# Altium PCB Bran_Main_Assay_PCB_v2.PcbDoc (part 6 of 15)
Units mil, origin at the board's own origin, x right, y up, seen from the top; angles counter-clockwise.
Board outline 3608.46 x 1899.79 mil, 6 copper layers (TOP, GND1, Singal, POWER, GND2, BOTTOM), stack 31.508 mil thick; 363 components, 288 nets, 1386 pads, 975 vias.
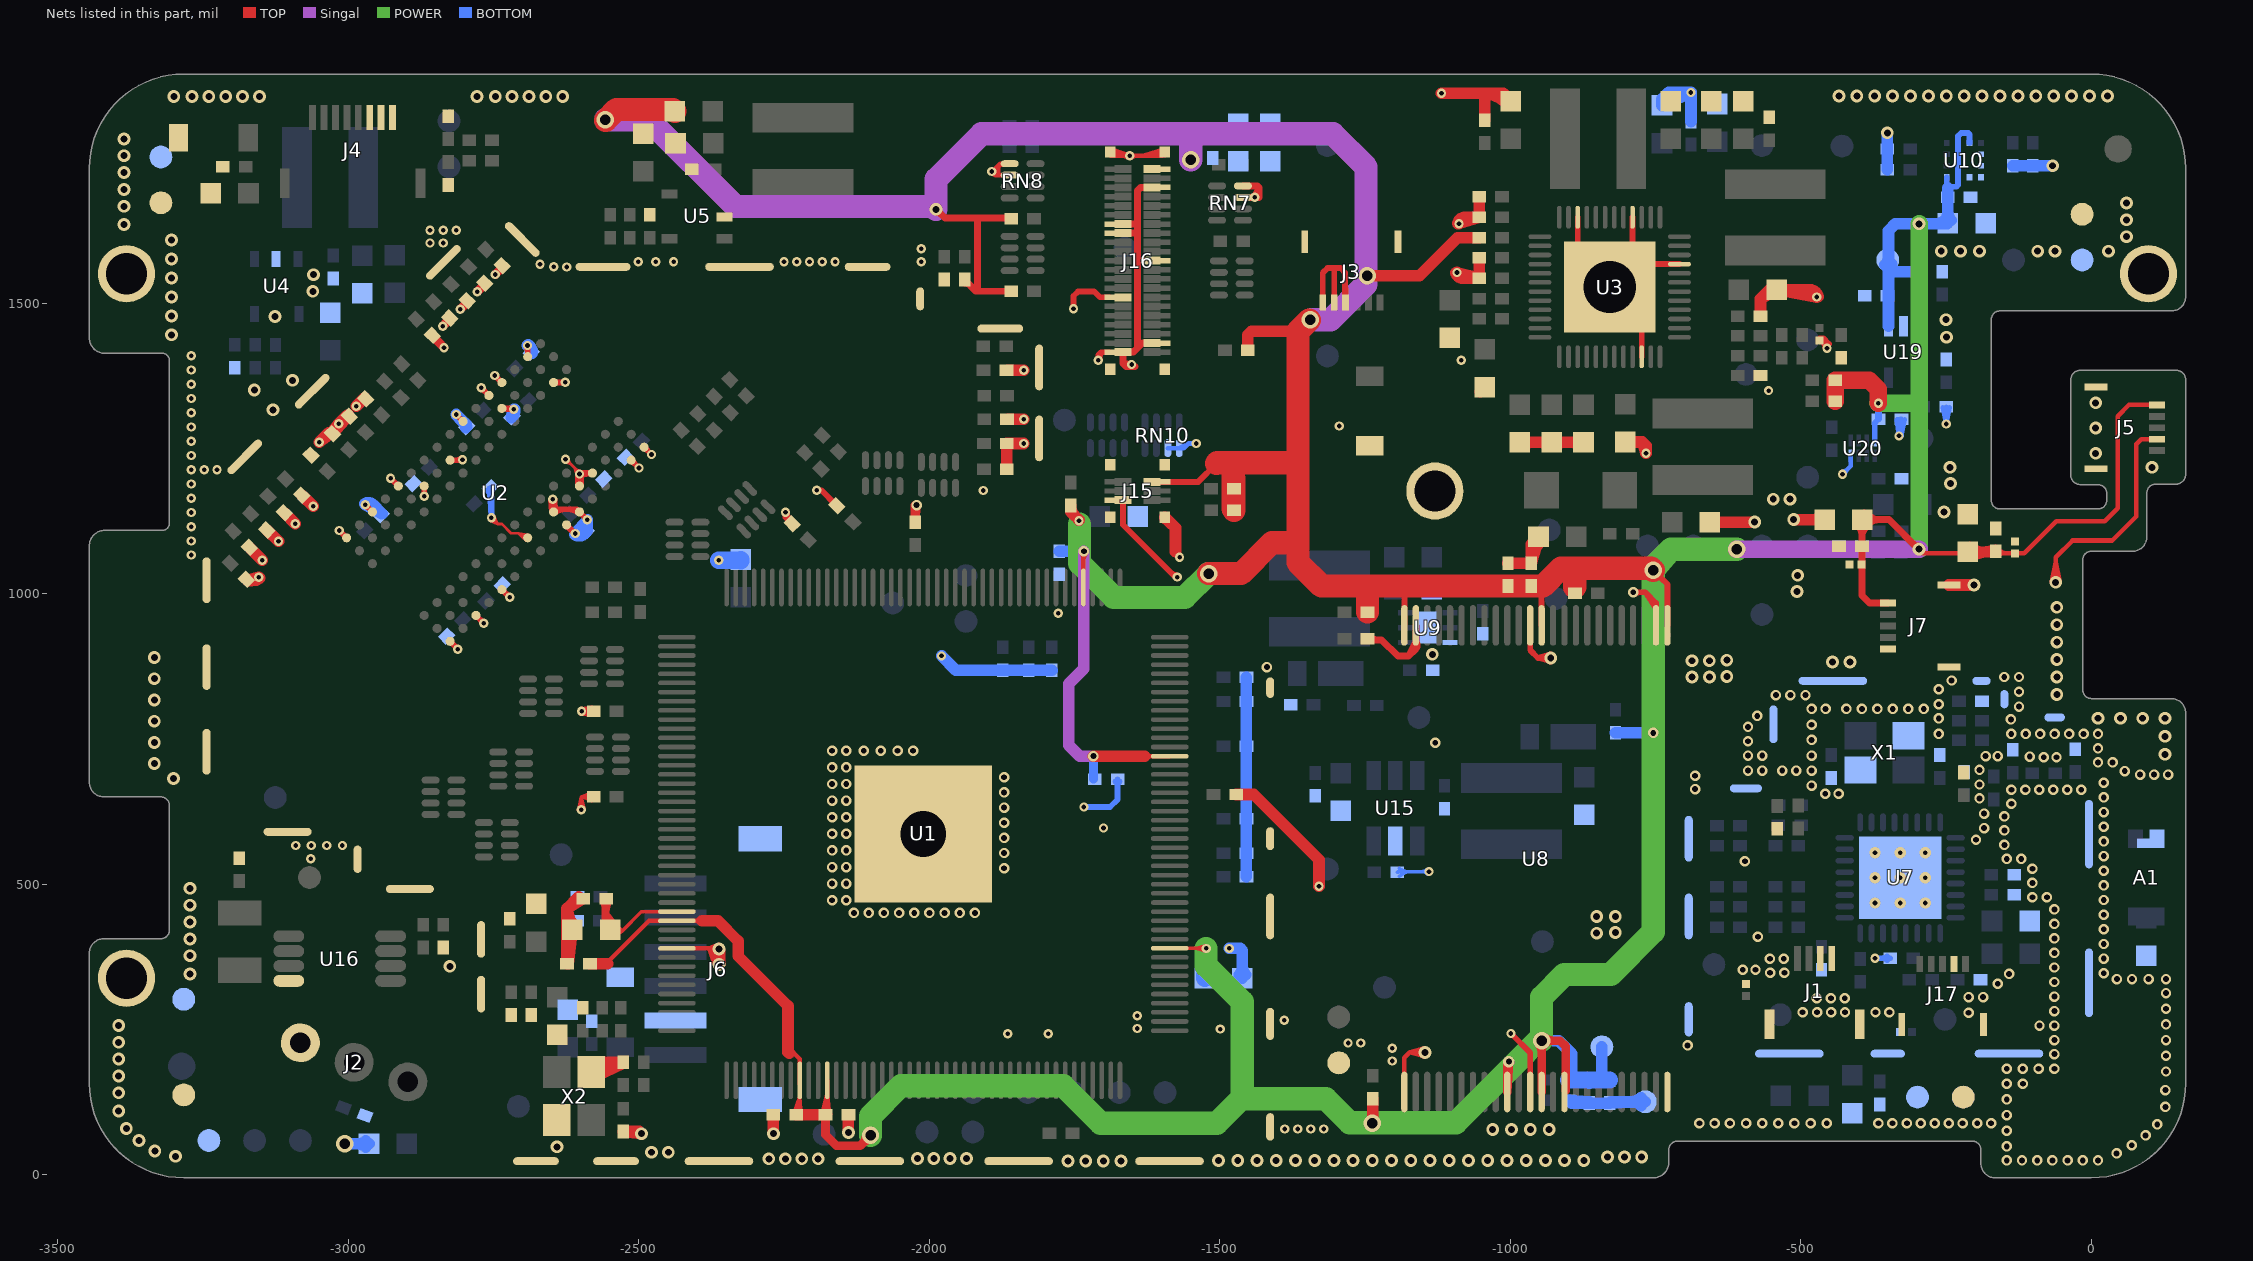
[diagram p10: the nets of this part, all layers, seen from the top]

## Via types
v1: diameter 16, hole 8, TOP to BOTTOM, tented both sides, 431 vias
v2: diameter 18, hole 10, TOP to BOTTOM, tented both sides, 257 vias
v3: diameter 22, hole 12, TOP to BOTTOM, tented both sides, 194 vias
v4: diameter 30, hole 18, TOP to BOTTOM, tented both sides, 69 vias
v5: diameter 24, hole 13, TOP to BOTTOM, tented both sides, 11 vias
v6: diameter 19.68, hole 7.87, TOP to BOTTOM, 9 vias
v7: diameter 22, hole 2, TOP to BOTTOM, tented both sides, 2 vias
v8: diameter 17.99, hole 10, TOP to BOTTOM, tented both sides, 1 vias
v9: diameter 20, hole 10, TOP to BOTTOM, tented both sides, 1 vias

## Nets (pads, with @x,y where several pads share a name; then routed paths per layer and width w, separated by ;. In a path a pad name is that pad's centre, name@x,y a point inside that pad or via, vN(x,y) a via of type N, cw(c..) or ccw(c..) an arc to the next point about the centre after c; other vN are vias at no path point) (continued)
GND: (continued)
  TOP w20: C90.2@-3174.16,1023.46 ccw(c-3169.12,1043.61) v1(-3154.43,1028.92) ; C90.2@-3163.74,1023.54 v1(-3154.43,1028.92) ; C90.2@-3163.1,1023.33 ccw(c-3163.1,1037.59) v1@-3153.01,1027.51 ; v1@-3155.97,1025.24 C90.2@-3174.12,1023.61 ; C92.2@-3138.84,1108.33 C92.2@-3137.84,1108.33 ; C94.2@-3078.84,1168.33 C94.2@-3077.84,1168.33 ; C95.2@-3029.02,1277.51 -3033.84,1277.51 v1(-3050.43,1260.92) C95.2@-3028.74,1277.23 ; R90.1@-3000.02,1307.51 R90.1@-3001.84,1307.51 ; C83.1@-2972.03,1337.5 v1(-2986.43,1322.92) C83.1@-2971.74,1337.23 ; -2623.7,381.02 cw(c-2573.47,381.02) C8.1@-2608.99,416.54 ; -2621.99,394.02 C8.1@-2614.44,421.99 ; C10.1@-2621.73,363.31 C8.1@-2614.44,421.99 ; -2621.31,444.85 C8.1@-2614.44,421.99 ; -2613.66,468.5 cw(c-2597.6,452.43) C9.1@-2597.6,475.15 ; C8.1@-2609.48,427.9 cw(c-2583.76,458.46) -2623.7,458.46 ; -2608.96,472.11 -2597.6,474.99 -2623.7,458.46 ; C9.1@-2603.33,478.83 -2623.7,458.46 ; X2.2@-2583.55,194.46 C38.1@-2527.02,193.99 ; X2.2@-2582.9,194.51 -2547.94,189.97 ; X2.2@-2582.02,176.98 -2565.01,193.99 C38.1@-2527.02,193.99 ; X2.2@-2576.04,168.68 -2547.94,189.97 ; X2.2@-2571.31,172.49 cw(c-2527.02,137.61) C38.1@-2527.02,193.99 ; -2555.21,186.44 C38.1@-2527.02,192.02 ; C37.1@-2526.46,74.07 C37.1@-2527.02,74.62 ; -2506.62,74.62 cw(c-2506.62,59.84) v3@-2496.17,70.29 ; C84.2@-1865.32,1385.05 v1(-1837.56,1385.05) C84.2@-1864.93,1385.04 ; J15.8@-1594.69,1131.3 -1576.45,1113.65 ; J15.8@-1594.69,1131.89 -1576.45,1113.65 ; -1576.45,1072.6 -1576.45,1113.65 ; C7.1@-1471.76,654.74 -1441.57,654.74 ; C7.1@-1469.8,654.74 -1441.57,654.74 ; v1(-1329.45,496.69) -1329.45,542.62 -1441.57,654.74 ; v1(-1118.45,1861.74) -1012.43,1861.74 C67.2@-999.02,1848.33 -1033.35,1859.54 ; v1@-1093.84,1552.87 ccw(c-1081.89,1555.56) -1081.89,1543.31 ; v1@-1093.3,1551.89 ccw(c-1072.58,1572.62) -1072.58,1543.31 ; v1@-1090.42,1637.7 cw(c-1077.46,1635.09) -1077.46,1648.31 ; v1@-1089.88,1638.72 cw(c-1066.74,1615.58) -1066.74,1648.31 ; -1080.16,1544.31 v1(-1091.89,1553.31) ; -1075.21,1647.19 v1(-1088.46,1637.31) ; C53.2@-1051.52,1348.31 C53.2@-1044.02,1355.81 ; -1050.03,1861.74 cw(c-1050.03,1797.31) C67.2@-1004.47,1842.87 ; R19.1@-1044.02,1815.51 -1044.02,1859.31 R19.1@-1044.02,1817.48 ; C40.1@-984.02,1260.81 C68.2@-929.02,1260.81 ; C40.1@-978.56,1255.35 cw(c-965.39,1242.18) -965.39,1260.81 cw(c-965.39,1279.44) C40.1@-978.56,1266.26 ; C204.1@-964.02,1051.3 cw(c-906.98,1051.3) C45.2@-946.21,1092.71 ; -956.37,1079.82 C204.1@-964.02,1054.96 ; C68.2@-934.47,1255.35 ccw(c-947.65,1242.18) -947.65,1260.81 ccw(c-947.65,1279.44) C68.2@-934.47,1266.26 ; C68.2@-923.56,1255.35 cw(c-910.39,1242.18) -910.39,1260.81 cw(c-910.39,1279.44) C68.2@-923.56,1266.26 ; C63.1@-879.47,1255.35 ccw(c-892.65,1242.18) -892.65,1260.81 ccw(c-892.65,1279.44) C63.1@-879.47,1266.26 ; C39.2@-802.46,1261.5 -772.81,1261.5 ; C39.2@-797.01,1256.04 cw(c-783.84,1242.87) -783.84,1261.5 cw(c-783.84,1280.13) C39.2@-797.01,1266.96 ; C44.2@-656.52,1123.31 -579.45,1123.31 v3@-579.02,1123.31 ; C44.2@-651.06,1117.85 cw(c-637.89,1104.68) -637.89,1123.31 cw(c-637.89,1141.94) C44.2@-651.06,1128.76 ; C44.2@-650.46,1123.31 v3(-579.45,1123.83) ; C47.2@-543.12,1515.76 ccw(c-549.07,1487.73) -569.33,1507.99 ; C47.2@-536.06,1517.85 cw(c-522.89,1504.68) -522.89,1523.31 cw(c-522.89,1541.94) C47.2@-536.06,1528.76 ; v3(-512.29,1128) C157.2@-458.96,1128 ; -497.35,1523.31 cw(c-497.35,1486.12) v1@-471.05,1512.41 ; -487.72,1522.04 v1(-472.46,1511) ; v1@-470.5,1511.35 ccw(c-484.77,1508.81) -484.77,1523.31 ; C157.2@-464.42,1122.54 ccw(c-477.59,1109.37) -477.59,1128 ccw(c-477.59,1146.63) C157.2@-464.42,1133.46 ; C90.2@-3174.12,1023.61 v1(-3154.43,1028.92) ; C90.2@-3174.12,1023.61 v1(-3154.43,1028.92) ; C90.2@-3174.12,1023.61 v1(-3154.43,1028.92) ; C90.2@-3174.12,1023.61 v1(-3154.43,1028.92) ; C90.2@-3174.12,1023.61 v1@-3160.02,1023.33 ; C90.2@-3174.12,1023.61 v1(-3154.43,1028.92) ; C90.2@-3174.12,1023.61 v1@-3160.02,1023.33 ; v1@-3160.02,1023.33 v1(-3154.43,1028.92) ; v1@-3160.02,1023.33 -3173.84,1023.33 v1(-3154.43,1028.92) ; v1(-3148.43,1057.92) -3169.12,1078.61 v1(-3148.43,1057.92) ; v1(-3148.43,1057.92) -3168.84,1078.33 v1(-3148.43,1057.92) ; C92.2@-3137.84,1108.33 v1(-3120.43,1090.92) ; C92.2@-3137.84,1108.33 v1(-3120.43,1090.92) ; v1(-3120.43,1090.92) -3139.12,1108.61 v1(-3120.43,1090.92) ; v1(-3091.43,1120.92) -3109.12,1138.61 v1(-3091.43,1120.92) ; v1(-3091.43,1120.92) -3108.84,1138.33 v1(-3091.43,1120.92) ; C94.2@-3077.84,1168.33 v1(-3060.43,1150.92) ; C94.2@-3077.84,1168.33 v1(-3060.43,1150.92) ; v1(-3060.43,1150.92) -3079.12,1168.61 v1(-3060.43,1150.92) ; C95.2@-3028.74,1277.23 v1(-3016.43,1292.92) ; C95.2@-3028.74,1277.23 v1(-3016.43,1292.92) ; C95.2@-3028.74,1277.23 v1(-3016.43,1292.92) ; C95.2@-3028.74,1277.23 v1(-3016.43,1292.92) ; C95.2@-3028.74,1277.23 v1(-3016.43,1292.92) ; C95.2@-3028.74,1277.23 R90.1@-3001.84,1307.51 ; v1(-3016.43,1292.92) C95.2@-3027.35,1275.84 R90.1@-2999.74,1307.23 ; v1(-3016.43,1292.92) R90.1@-2999.74,1307.23 ; v1(-3016.43,1292.92) R90.1@-3001.84,1307.51 ; v1(-3016.43,1292.92) R90.1@-2999.74,1307.23 ; v1(-3016.43,1292.92) R90.1@-3001.84,1307.51 ; -2623.7,458.46 -2623.7,421.99 C10.1@-2623.7,363.31 C8.1@-2614.44,421.99 ; -2623.7,458.46 C8.1@-2614.44,421.99 ; X2.2@-2582.02,180.92 C38.1@-2527.02,192.02 ; X2.2@-2582.02,180.92 -2547.94,189.97 ; X2.2@-2582.02,180.92 C38.1@-2527.02,193.99 ; C37.1@-2527.02,74.62 v3(-2495.46,71) -2499.09,74.62 C37.1@-2527.02,74.62 ; C38.1@-2527.02,192.02 -2577.29,168.14 C38.1@-2527.02,193.99 ; v1(-1837.43,1258.92) -1864.77,1258.92 v1(-1837.43,1258.92) ; v1(-1837.43,1258.92) -1864.38,1258.92 v1(-1837.43,1258.92) ; v1(-1837.47,1300.88) -1864.39,1300.88 v1(-1837.47,1300.88) ; v1(-1837.47,1300.88) -1864,1300.88 v1(-1837.47,1300.88) ; v1(-1091.89,1553.31) -1081.89,1543.31 ; v1(-1091.89,1553.31) -1055.67,1543.31 -1081.89,1543.31 ; v1(-1091.89,1553.31) -1081.89,1543.31 ; v1(-1091.89,1553.31) C59.1@-1053.7,1543.31 ; v1(-1091.89,1553.31) -1081.89,1543.31 ; v1(-1088.46,1637.31) -1077.46,1648.31 ; v1(-1088.46,1637.31) -1055.67,1648.31 -1077.46,1648.31 ; v1(-1088.46,1637.31) -1077.46,1648.31 ; v1(-1088.46,1637.31) C71.1@-1053.7,1648.31 ; v1(-1088.46,1637.31) -1077.46,1648.31 ; -1081.89,1543.31 C59.1@-1053.7,1543.31 ; -1077.46,1648.31 C71.1@-1053.7,1648.31 ; C59.1@-1053.7,1543.31 C60.2@-1053.7,1578.31 C59.1@-1053.7,1543.31 ; C71.1@-1053.7,1648.31 C62.1@-1053.7,1683.31 C71.1@-1053.7,1648.31 ; C204.1@-964.02,1052.99 C207.1@-1004.02,1052.99 C204.1@-964.02,1052.99 ; C204.1@-964.02,1052.99 C45.2@-951.52,1098.31 ; C204.1@-964.02,1052.99 C45.2@-964.02,1085.81 ; C204.1@-964.02,1054.96 -961.65,1067.54 C45.2@-951.52,1098.31 ; C204.1@-964.02,1054.96 C45.2@-951.52,1098.31 ; C204.1@-964.02,1054.96 C45.2@-951.52,1098.31 ; C204.1@-964.02,1054.96 C45.2@-964.02,1085.81 ; C45.2@-964.02,1085.81 C45.2@-951.52,1098.31 ; C68.2@-929.02,1260.81 C63.1@-874.02,1260.81 C68.2@-929.02,1260.81 ; -772.81,1261.5 v1(-766.46,1242) ; -772.81,1261.5 -766.46,1255.16 ; v1(-766.46,1242) -766.46,1255.16 ; v1(-766.46,1242) -766.46,1255.16 ; -569.33,1507.99 C47.2@-541.52,1523.31 ; -569.33,1507.99 R151.1@-569.33,1478.31 -569.33,1507.99 ; -569.33,1507.99 -554.02,1523.31 C47.2@-541.52,1523.31 ; C47.2@-541.52,1523.31 v1(-472.46,1511) ; C47.2@-541.52,1523.31 -484.77,1523.31 ; -484.77,1523.31 v1(-472.46,1511) ; -484.77,1523.31 v1(-472.46,1511) ; v3(-201.93,1015.36) -231.48,1015.36 v3(-201.93,1015.36) ; v3(-201.93,1015.36) J7.7@-245.26,1015.36 v3(-201.93,1015.36) ; C17.1@-2268.7,103.31 v3(-2268.46,71) -2268.46,103.08 C17.1@-2268.7,103.31 ; v3(-2139.33,73.13) C19.1@-2139.33,103.31 v3(-2139.33,73.13) ; R94.1@-1866.74,1214.92 C148.1@-1866.74,1258.92 R94.1@-1866.74,1214.92
  BOTTOM w6: R190.2@-1194.76,520.83 -1193.49,522.1 v1(-1140.02,522.1) ; R190.2@-1191.63,527.57 -1182.5,522.52 ; R190.2@-1191.41,527.53 -1178.6,521.39 ; R190.2@-1190.88,514.26 -1178.6,521.39 ; R190.2@-1189.53,514.81 -1182.5,522.52 ; R190.2@-1187.96,515.99 cw(c-1173.2,501.23) -1173.2,522.1 ; R190.2@-1187.96,525.67 ccw(c-1179.36,534.27) -1179.36,522.1 ; v1@-1143.55,518.57 ccw(c-1152.09,510.03) -1152.09,522.1 ccw(c-1152.09,534.17) v1@-1143.55,525.64 ; v1@-1141.63,517.37 -1148.96,522.51 ; v1@-1141.63,526.83 -1148.96,521.69 ; v1@-1141.19,517.24 -1148.96,521.69 ; v1@-1141.19,526.96 -1148.96,522.51 ; -1182.5,522.52 -1192.8,520.83 -1178.6,521.39 ; -1148.96,521.69 v1(-1140.02,522.1) ; -1148.96,522.51 v1(-1140.02,522.1)
  BOTTOM w8: v1@-1543.28,1256 ccw(c-1550.11,1249.17) -1550.11,1258.83 ccw(c-1550.11,1268.48) v1@-1543.28,1261.66 ; v1(-428.3,1205.99) -414.13,1220.16 ; v1@-428.3,1209.99 ccw(c-428.3,1219.65) -421.47,1212.82 ccw(c-414.64,1205.99) v1@-424.3,1205.99 ; U20.4@-414.13,1231.32 -414.13,1220.16 ; U20.4@-414.13,1237.81 -414.13,1220.16 ; v1@-333.77,1274.82 ccw(c-350.66,1291.71) C241.2@-326.78,1291.71 ; C241.2@-332.46,1299.63 -327.26,1290.55 ; C241.2@-332.31,1299.11 -326.3,1290.55 ; C241.2@-330.91,1296.87 cw(c-340.88,1286.89) -326.78,1286.89 cw(c-312.67,1286.89) C241.2@-322.65,1296.87 ; -327.59,1285.52 v1(-330.94,1271.99) ; C241.2@-321.25,1299.11 -327.26,1290.55 ; C241.2@-321.1,1299.63 -326.3,1290.55 ; C236.2@-255.46,1320.63 -250.26,1311.55 ; C236.2@-255.31,1320.11 -249.3,1311.55 ; C236.2@-253.91,1317.87 cw(c-263.88,1307.89) -249.78,1307.89 cw(c-235.67,1307.89) C236.2@-245.65,1317.87 ; v1@-252.61,1295.3 ccw(c-259.44,1302.13) -249.78,1302.13 ccw(c-240.12,1302.13) v1@-246.95,1295.3 ; C236.2@-244.25,1320.11 -250.26,1311.55 ; C236.2@-244.1,1320.63 -249.3,1311.55 ; C236.2@-243.97,1321.42 v1(-249.78,1292.47) ; RN10.1@-1569.92,1250.96 -1562.32,1250.96 ; RN10.1@-1569.92,1250.96 -1554.45,1258.83 ; RN10.1@-1569.92,1250.96 RN10.2@-1589.61,1250.96 RN10.1@-1569.92,1250.96 ; RN10.1@-1569.92,1250.96 -1562.32,1250.96 ; -1562.32,1250.96 -1554.45,1258.83 ; -1554.45,1258.83 v1(-1540.45,1258.83) -1554.45,1258.83 ; v1(-330.94,1271.99) C241.2@-326.78,1301 ; v1(-330.94,1271.99) -332.59,1300.42 v1@-326.78,1271.51 ; v1(-330.94,1271.99) -320.97,1300.42 v1@-326.78,1271.51 ; v1(-330.94,1271.99) -328.75,1301 v1@-329.98,1279.77 ; v1(-330.94,1271.99) -334.57,1300.53 v1@-329.98,1279.77 ; v1(-330.94,1271.99) -323.02,1299.86 v1@-329.98,1279.77 ; v1(-330.94,1271.99) C241.2@-326.78,1301 ; -327.26,1290.55 C241.2@-326.78,1301 ; v1@-326.78,1271.51 -326.78,1271.99 C241.2@-326.78,1301 ; v1@-326.78,1271.51 C241.2@-326.78,1301 ; C241.2@-326.78,1301 -326.3,1290.55 ; -250.26,1311.55 C236.2@-249.78,1322 ; v1(-249.78,1292.47) -255.59,1321.42 v1(-249.78,1292.47) ; v1(-249.78,1292.47) C236.2@-249.78,1322 ; C236.2@-249.78,1322 -249.3,1311.55
  BOTTOM w10: C96.2@-2760.32,1178.02 cw(c-2775.98,1162.37) -2753.84,1162.37 ; C96.2@-2756.9,1181.44 -2753.84,1139.29 v1(-2753.84,1130.92) ; C96.2@-2755.99,1168.91 v1(-2753.84,1130.92) ; C96.2@-2755.51,1182.84 -2753.84,1181.17 v1(-2753.84,1130.92) ; v1(-1734.02,633.31) -1689.02,633.31 -1675.96,646.36 ; C18.1@-1679.38,677.4 cw(c-1687.65,669.14) -1675.96,669.14 cw(c-1664.27,669.14) C18.1@-1672.54,677.4 ; C246.2@-351.38,369.57 ccw(c-359.64,361.3) -359.64,372.99 ccw(c-359.64,384.68) C246.2@-351.38,376.42 ; C246.2@-347.95,372.99 v1(-372.3,372.99) C246.2@-345.98,372.99 ; -1675.96,646.36 C18.1@-1675.96,680.83 -1675.96,646.36
  BOTTOM w20: v4(-3006.02,53.31) C41.1@-2964.52,53.31 v4@-3004.02,53.31 ; v1@-2971.89,1155.05 cw(c-2965.72,1145.02) -2957.39,1153.34 ; v1@-2970.84,1155.34 cw(c-2970.84,1127.7) -2951.29,1147.25 ; C41.1@-2969.97,47.85 ccw(c-2983.15,34.68) -2983.15,53.31 ccw(c-2983.15,71.94) C41.1@-2969.97,58.76 ; -2957.02,1151.64 v1(-2970.84,1153.34) ; C99.2@-2797.94,1286.33 -2797.65,1286.62 -2797.65,1288 -2797.65,1291.94 v1(-2814.61,1308.9) C99.2@-2796.27,1288 ; C101.2@-2719.39,1303.95 ccw(c-2733.27,1317.83) v1@-2713.65,1317.83 ; C101.2@-2716.28,1308.01 v1(-2715.65,1317.83) ; v1@-2690.39,1429.11 cw(c-2702.71,1414.8) C100.2@-2683.84,1414.8 ; v1@-2610.55,1102.26 ccw(c-2602.9,1113.58) C88.2@-2593.25,1103.92 ; v1@-2609.82,1101.96 ccw(c-2605.28,1124.75) C88.2@-2588.85,1108.32 ; -2597.81,1102.75 v1(-2609.43,1103.92) ; C88.2@-2596.99,1107.25 v1(-2609.43,1103.92) ; C88.2@-2591.79,1111.26 cw(c-2609.43,1128.8) v1(-2609.43,1103.92) ; v1(-1979.02,893.31) -1954.33,868.62 C23.1@-1874.02,868.62 ; -1943.86,868.62 C23.1@-1874.02,868.62 ; v1(-1483.65,389.83) -1464.76,389.83 -1461.15,386.21 C15.2@-1461.15,338.83 ; C15.2@-1466.6,344.28 ccw(c-1479.78,357.46) -1461.15,357.46 ccw(c-1442.52,357.46) C15.2@-1455.69,344.28 ; C27.1@-1454.33,856.83 C26.1@-1454.33,814.83 C25.1@-1454.33,737.83 C24.1@-1454.33,613.31 ; R35.2@-899.33,128.31 -894.65,123.62 C208.1@-864.02,123.62 ; R35.2@-897.47,128.2 ccw(c-886.43,139.24) -886.43,123.62 ; C208.1@-864.02,125.59 -897.36,128.31 C208.1@-864.02,123.62 ; C209.1@-826.81,125.83 C209.1@-829.02,123.62 ; TP24.1@-774.56,119.14 ccw(c-791.1,102.6) -791.1,125.98 ccw(c-791.1,149.37) TP24.1@-774.56,132.83 ; C55.2@-731.8,1843.53 cw(c-714.35,1850.12) -727.54,1863.31 ; v1(-2970.84,1153.34) -2957.39,1153.34 ; v1(-2970.84,1153.34) -2942.5,1137.89 -2957.39,1153.34 ; v1(-2970.84,1153.34) -2957.39,1153.34 ; v1(-2970.84,1153.34) -2942.22,1138.17 -2957.39,1153.34 ; v1(-2970.84,1153.34) -2957.39,1153.34 ; C101.2@-2718.35,1305 ccw(c-2729.84,1316.49) -2713.65,1318.01 cw(c-2729.84,1316.49) C101.2@-2718.35,1305 ; C101.2@-2718.35,1305 C101.2@-2715.65,1307.7 ; C101.2@-2718.35,1305 -2720.02,1303.33 v1(-2715.65,1317.83) ; C101.2@-2715.65,1307.7 v1(-2715.65,1317.83) ; C101.2@-2715.65,1307.7 v1(-2715.65,1317.83) ; C101.2@-2715.65,1307.7 v1(-2715.65,1317.83) ; v1(-2715.65,1317.83) -2715.06,1309.72 v1(-2715.65,1317.83) ; v1(-2609.43,1103.92) v1(-2588.86,1127.7) ; v1(-2609.43,1103.92) C88.2@-2593.25,1103.92 ; v1(-2609.43,1103.92) C88.2@-2588.85,1108.32 ; v1(-2609.43,1103.92) C88.2@-2591.9,1111.37 ; v1(-2609.43,1103.92) C88.2@-2593.25,1103.92 ; C88.2@-2593.25,1103.92 C88.2@-2588.85,1108.32 ; C88.2@-2591.9,1111.37 v1(-2588.86,1127.7) ; C88.2@-2591.9,1111.37 v1(-2588.86,1127.7) ; C88.2@-2591.9,1111.37 v1(-2588.86,1127.7) ; C88.2@-2588.84,1108.33 C88.2@-2588.84,1109.98 ; C88.2@-2588.84,1108.33 v1(-2588.86,1127.7) ; C88.2@-2588.84,1109.98 v1(-2588.86,1127.7) ; C88.2@-2588.84,1109.98 v1(-2588.86,1127.7) ; C23.1@-1874.02,868.62 C21.1@-1829.02,868.62 ; C21.1@-1829.02,868.62 C22.1@-1789.02,868.62 C21.1@-1829.02,868.62 ; C30.1@-1454.33,553.31 C24.1@-1454.33,613.31 ; C30.1@-1454.33,553.31 C28.1@-1454.33,513.31 C30.1@-1454.33,553.31 ; C30.1@-1454.33,553.31 C24.1@-1454.33,613.31 ; C208.1@-864.02,123.62 C209.1@-829.02,123.62 ; C209.1@-829.02,123.62 TP24.1@-767.72,125.98 -826.65,125.98 -783.46,125.98 C209.1@-829.02,123.62 ; C55.2@-739.02,1840.81 v1(-689.17,1863.15) ; C55.2@-739.02,1840.81 -727.54,1863.31 ; C55.2@-739.02,1840.81 v1@-689.02,1863.31 ; C55.2@-739.02,1840.81 -727.54,1863.31 ; C55.2@-739.02,1840.81 -739.02,1851.83 -727.54,1863.31 ; -727.54,1863.31 -689.17,1863.31 v1@-689.02,1863.31 ; -727.54,1863.31 v1(-689.17,1863.15) ; v1(-689.17,1863.15) -689.02,1814.96 v1@-689.02,1863.31 ; v1(-689.17,1863.15) C56.2@-689.02,1812.99 -689.02,1863.15 v1@-689.02,1863.31 ; v1(-2691.7,1427.59) -2683.84,1417.51 -2683.84,1419.73 v1(-2691.7,1427.59)
  BOTTOM w30: C142.1@-2324.65,1056.83 -2325.74,1057.92 v1(-2362.43,1057.92) C142.1@-2324.65,1059.33
  other v1: -1388.3,78.99 -1365.97,78.99 -1343.63,78.99 -1321.3,78.99 -1203.3,195.99 -1203.3,217.99 -1279.3,226.99 -1257.3,226.99 -1865.3,242.99 -1795.3,242.99 -1499.3,250.99 -1642.3,251.99 -1389.3,265.99 -1642.3,273.99 -3064.94,543.99 -3090.55,566.99 -3063.8,566.99 -3037.05,566.99 -3010.3,566.99 -1700.3,596.99 -1778.3,966.99 -1569.3,1062.99 -3270.3,1066.99 -3270.3,1090.99 -3270.3,1115.53 -3270.3,1140.07 -3270.3,1164.61 -1907.3,1177.99 -3270.3,1189.15 -3270.3,1213.68 -3248.3,1213.99 -3226.3,1213.99 -3270.3,1238.22 -3270.3,1262.76 -3270.3,1287.3 -1294.46,1289 -3270.3,1311.84 -3270.3,1336.38 -555.46,1350 -3270.3,1360.91 -3270.3,1385.45 -1084.3,1401.99 -3270.3,1409.99 -2646.57,1562.96 -2624.38,1562.86 -2670.23,1567.48 -2501.3,1571.99 -2470.8,1571.99 -2440.3,1571.99 -2250.3,1571.99 -2228.3,1571.99 -2206.3,1571.99 -2184.3,1571.99 -2162.3,1571.99 -2013.94,1571.99 -2013.94,1593.99 -2859.63,1603.99 -2836.97,1603.99 -2859.63,1625.99 -2836.97,1625.99 -2814.3,1625.99
  other v2: -145.46,25 -119.3,25 -93.13,25 -66.96,25 -40.8,25 -14.63,25 11.53,25 43.54,37 -145.46,49 69.54,51 93.54,68 -145.46,76 113.54,87 -674.46,89 -648.46,89 -622.06,89 -594.3,89 -566.53,89 -538.76,89 -511,89 -483.23,89 -455.47,89 -366.46,89 -342.46,89 -317.46,89 -293.46,89 -269.46,89 -245.46,89 -221.46,89 -196.46,89 -172.46,89 -145.46,103 127.54,117 -145.46,130 127.54,146 -145.46,157 -117.65,156.97 128.54,178 -145.46,182.62 -118.13,182.62 -90.8,182.62 -63.46,182.62 128.54,205 -63.46,208 -694.94,222.99 -63.46,232 128.54,232 -89.19,256.95 -63.46,257 128.54,259 -211.3,278.99 -496.94,279.99 -471.94,279.99 -447.94,279.99 -423.94,279.99 -371.46,280 -347.46,280 -63.46,282 128.54,286 -472.3,303.99 -448.3,303.99 -424.3,303.99 -211.3,305.99 -186.3,305.99 -63.46,307 128.54,313 -160.94,328.99 -63.46,332 44.06,336.99 70.06,336.99 98.54,337 128.54,337 -141.46,346 21.54,347 -553.02,347.99 -528.3,347.99 -600,353 -578,353 -63.46,357 -553.3,371.99 -529.3,371.99 21.54,372.23 -63.46,382 21.54,397.46 -63.46,407 -573.94,409.99 21.54,422.69 -63.46,432 21.54,447.92 -2129.94,450.99 -2104.25,450.99 -2078.15,450.99 -2052.05,450.99 -2025.95,450.99 -1999.85,450.99 -1973.75,450.99 -1947.65,450.99 -1921.55,450.99 -63.46,457 -2167.45,472.74 -2142.94,472.74 21.54,473.15 -101.46,478 -76.46,478 21.54,498.38 -2167.45,501.32 -2142.94,501.32 -101.46,502.5 21.54,523.61 -101.46,527 -1871.45,527.94 -2167.45,529.91 -2142.94,529.91 -596.3,539.99 -145.46,544 -120.46,544 21.54,548.85 -1871.45,554.04 -2167.45,558.49 -2142.94,558.49 -149.46,568 21.54,574.08 -198.46,577 -1871.45,580.14 -2167.45,587.07 -2142.94,587.07 -149.46,593 -184.46,597 21.54,599.31 -1871.45,606.24 -2167.45,615.66 -2142.94,615.66 -149.46,617 -184.46,622 21.54,624.54 -1871.45,632.34 -137.46,639 -2167.45,644.24 -2142.94,644.24 -192.46,648 21.54,649.77 -457.94,655.99 -434.94,655.99 -1871.45,658.44 -137.46,663 -113.46,663 -89.46,663 -65.46,663 -41.46,663 -17.46,663 -681.94,663.99 -481.45,670 -192.46,672 -2167.45,672.82 -2142.94,672.82 21.54,675 -1871.45,684.54 -681.94,686.99 84.06,688.99 108.06,688.99 132.06,688.99 57.54,695 -590.94,695.99 -566.46,695.99 -531.94,695.99 -507.94,695.99 -481.45,695.99 -192.46,697 -2167.45,701.41 -2142.94,701.41 11.54,710 36.54,710 -81.94,718.99 -59.94,718.99 -105.94,719.99 -181.94,720.99 -160.94,720.99 -590.94,721.66 -566.3,721.66 -481.45,721.66 -2167.45,729.99 -2142.94,729.99 -2113.05,729.99 -2083.85,729.99 -2054.65,729.99 -2027.94,729.99 11.54,734 -1129.3,743.99 -590.94,746.33 -481.45,748.62 -262.45,759 -137.91,759 -113,759 -88.1,759 -63.19,759 -38.28,759 -13.37,759 11.53,759 -590.94,770.99 -481.45,774.81 -138.46,784 -262.45,785.74 -574.94,789.99 -481.46,802 -457.46,802 -421.46,802 -394.86,802 -368.26,802 -341.66,802 -315.05,802 -288.45,802 -124.46,806 -262.46,810 -542.94,825.99 -517.94,825.99 -491.94,825.99 -124.46,831.5 -262.46,836 -240.46,851 -149.94,856.99 -124.46,856.99 -1418.94,873.99
  other v3: -1761.3,23.99 -1730.97,23.99 -1700.63,23.99 -1670.3,23.99 -1502.3,24.99 -1469.2,24.99 -1436.11,24.99 -1403.01,24.99 -1369.92,24.99 -1336.82,24.99 -1303.73,24.99 -1270.63,24.99 -1237.54,24.99 -1204.44,24.99 -1171.35,24.99 -1138.25,24.99 -1105.16,24.99 -1072.06,24.99 -1038.97,24.99 -1005.87,24.99 -972.78,24.99 -939.68,24.99 -906.59,24.99 -873.49,24.99 -2276.31,27.71 -2247.98,27.71 -2219.64,27.71 -2191.31,27.71 -2020.3,27.99 -1992.3,27.99 -1964.3,27.99 -1936.3,27.99 -832.94,30.99 -803.44,30.99 -773.94,30.99 -3297.72,31.98 -2478.3,38.99 -2449.3,38.99 -3333.3,40.99 -2640.87,48.28 -3360.3,58.99 -1030.46,78 -998.04,78 -965.62,78 -933.2,78 -3382.3,79.99 -3395.46,110 -3395.48,141.26 -3395.48,170.26 -3395.48,199.26 -3395.48,228.26 -3395.48,257.26 -3272.46,346 -2825.46,359 -3272.48,377.26 -3272.48,406.26 -851.3,415.99 -819.3,416.99 -3272.48,435.26 -851.3,444.99 -819.3,444.99 -3272.48,464.26 -3272.48,493.26 -3301.02,682.1 -3334.02,707.92 126.7,723.99 -3334.02,744.46 126.7,754.99 -3334.02,781 11.7,785.99 50.03,785.99 88.37,785.99 126.7,785.99 -3334.02,817.54 -59.3,826.99 -3334.02,854.08 -687.3,856.99 -657.3,856.99 -59.3,856.99 -627.46,858 -445.46,883 -415.46,883 -687.46,885 -657.46,885 -627.46,886 -59.3,886.99 -3334.02,890.61 -1134.3,895.99 -59.3,916.99 -59.3,946.99 -59.3,976.99 -506.46,1004 -505.46,1032 -253.46,1141 -547.48,1163 -518.46,1163 -242.3,1189.99 -243.3,1217.99 104.54,1218 7.54,1242 7.54,1285.5 -3129.94,1316.99 7.54,1329 -3161.94,1350.99 -3096.45,1367.74 -249.46,1442 -3304.3,1445.99 -250.3,1471.99 -3126.45,1477.74 -3304.3,1478.59 -3304.3,1511.19 -3061.2,1520.87 -3304.3,1543.79 -3060.25,1549.5 -3304.3,1576.39 -258.3,1589.99 -225.3,1589.99 -192.3,1589.99 -92.3,1589.99 -62.3,1589.99 29.7,1589.99 -3304.3,1608.99 60.7,1614.99 -3386.48,1636 60.7,1643.99 -3386.48,1667.26 60.7,1672.99 -3386.48,1696.26 -3386.48,1725.26 -3386.48,1754.26 -3386.48,1783.26 -3300.46,1856.02 -3269.2,1856.02 -3240.2,1856.02 -3211.2,1856.02 -3182.2,1856.02 -3153.2,1856.02 -2778.46,1856.02 -2747.2,1856.02 -2718.2,1856.02 -2689.2,1856.02 -2660.2,1856.02 -2631.2,1856.02 -434.46,1857.02 -403.65,1857.02 -372.84,1857.02 -342.03,1857.02 -311.22,1857.02 -280.41,1857.02 -249.6,1857.02 -218.79,1857.02 -187.98,1857.02 -157.17,1857.02 -126.35,1857.02 -95.54,1857.02 -64.73,1857.02 -33.92,1857.02 -3.11,1857.02 27.7,1857.02
  other v6: -372.32,468 -329.02,468 -285.71,468 -372.32,511.31 -329.02,511.31 -285.71,511.31 -372.32,554.61 -329.02,554.61 -285.71,554.61
HPBP: C8.2 C9.2 U1.75 | length 1349.1
  TOP w6: C9.2@-2565.06,474.59 -2560.64,457.59 ; C8.2@-2564.14,421.26 -2558.01,446.1 ; C8.2@-2564.16,421.78 -2557.27,454.44 ; C9.2@-2562.98,473.68 -2554.77,449.5 ; C8.2@-2561.6,439.49 ccw(c-2536.63,439.49) C8.2@-2551.39,419.34 ; -2561.6,450.34 cw(c-2533.57,450.34) C9.2@-2553.39,470.15 ; -2561.6,451.32 ccw(c-2527.96,451.32) C8.2@-2547.84,424.18 ; -2561.6,463.16 ccw(c-2519.28,463.16) C8.2@-2544.29,429.02 ; -2561.6,464.82 cw(c-2548.06,464.82) C9.2@-2557.63,474.4 ; C9.2@-2561.6,478.83 C9.2@-2561.6,474.99 ; C9.2@-2558.23,474.99 -2560.64,457.59 ; C8.2@-2558.11,421.07 -2557.27,454.44 ; C8.2@-2558.04,420.52 -2558.01,446.1 ; C9.2@-2556.26,474.99 -2554.77,449.5 ; C9.2@-2551.76,472.75 -2560.64,457.59 ; C9.2@-2549.44,474.47 -2554.77,449.5 ; C8.2@-2548.52,413.32 -2528.65,419.83 ; C8.2@-2546.76,430.28 -2528.65,419.83 ; C8.2@-2545.72,407.75 -2528.65,419.83 ; C8.2@-2542.87,435.16 -2528.65,419.83 ; C8.2@-2541.85,426.27 -2558.01,446.1 ; C8.2@-2541.31,425.13 -2557.27,454.44 ; C8.2@-2540.75,433.86 cw(c-2510.61,474.99) C9.2@-2561.6,474.99 ; C8.2@-2537.58,430.7 -2558.01,446.1 ; C8.2@-2536.42,415.13 cw(c-2528.65,411.04) -2528.65,419.83 ; C8.2@-2536.32,415.34 cw(c-2530.65,412.47) -2530.65,418.83 ; C8.2@-2536.25,428.51 -2557.27,454.44 ; C8.2@-2535.85,416.35 cw(c-2530.65,414.19) -2530.65,419.83 ; C8.2@-2535.04,425.02 ccw(c-2528.65,426.36) -2528.65,419.83 ; C8.2@-2534.81,423.57 ccw(c-2530.65,424.02) -2530.65,419.83 ; C8.2@-2534.75,422.73 ccw(c-2530.65,422.93) -2530.65,418.83 ; -2485.12,453.06 U1.75@-2463.18,453.06 ; U1.75@-2434.64,453.06 -2495.65,453.06 -2528.65,419.83 ; C9.2@-2561.6,474.99 -2561.6,423.83 -2560.65,423.83 -2555.65,418.83 -2549.44,418.83 -2530.65,418.83 ; -2558.01,446.1 C8.2@-2549.44,421.99 ; -2557.27,454.44 C8.2@-2549.44,421.99 ; C8.2@-2549.44,421.99 -2530.65,418.83 ; C8.2@-2549.44,421.99 -2530.65,419.83 ; C8.2@-2549.44,421.99 -2528.65,419.83 ; C8.2@-2549.44,421.99 -2530.65,418.83 ; C8.2@-2549.44,421.99 -2530.65,419.83 ; -2530.65,418.83 -2548.89,413.29 -2530.65,418.83 ; -2530.65,418.83 -2546.07,430.03 -2530.65,418.83 ; -2530.65,418.83 -2546.1,407.66 -2530.65,418.83 ; -2530.65,418.83 -2541.59,434.44 -2530.65,418.83 ; -2530.65,418.83 -2530.65,419.83 ; -2530.65,419.83 -2548.42,413.34 -2530.65,419.83 ; -2530.65,419.83 -2546.48,430.19 -2530.65,419.83 ; -2530.65,419.83 -2545.31,407.87 -2530.65,419.83 ; -2530.65,419.83 -2542.21,434.81 -2530.65,419.83 ; -2530.65,419.83 -2528.65,419.83
HPVCC: C10.2 C15.1 C16.2 C17.2 C18.2 C19.2 C121.2 C122.2 C123.2 C152.2 C154.2 C155.2 C156.1 C157.1 C204.2 C207.2 C208.2 C209.2 C235.1 C240.2 C241.1 D13.1 D15.1 J5.1 J7.5 J15.1 J16.1 L12.1 R3.1 R4.1 R5.1 R6.1 R7.1 R8.1 R23.2 R32.1 R34.1 R39.1 R55.2 R79.1 R80.1 R81.1 R99.2 R129.1 R130.1 R131.1 R177.2 R199.1 TP12.1 TP23.1 U1.5 U1.76 U1.97 U1.100 U1.142 U1.163 U8.1 U8.12 U8.24 U8.34 U8.37 U8.39 U10.2 U10.3 U10.9 U10.10 U19.1 U20.8 | length 19128.7
  TOP w6: C17.2@-2233.97,105.1 U1.97@-2223.03,132.41 ; C17.2@-2233.86,105.46 -2227.22,114.64 ; C17.2@-2233.79,105.67 -2224.1,122.19 ; C17.2@-2232.2,108.15 ccw(c-2254.34,130.3) U1.97@-2223.03,130.3 ; C17.2@-2227.96,103.91 ccw(c-2239.86,115.81) -2223.03,115.81 ; C17.2@-2223.03,103.31 U1.97@-2223.03,155.83 ; C17.2@-2223.03,112.23 U1.97@-2223.03,134.17 ; C17.2@-2220.81,105.3 -2227.22,114.64 ; C17.2@-2220.52,103.27 U1.97@-2223.75,130.8 ; C17.2@-2220.52,103.37 -2224.1,122.19 ; U1.142@-1586.22,390.07 -1540.89,390.07 ; U1.142@-1557.67,390.07 -1540.89,390.07 ; v1@-1527.18,386.29 ccw(c-1535.72,377.76) -1535.72,389.83 ccw(c-1535.72,401.9) v1@-1527.18,393.36 ; v1@-1525.26,385.09 -1532.59,390.24 ; v1@-1525.26,394.56 -1532.59,389.42 ; v1@-1524.82,384.97 -1532.59,389.42 ; v1@-1524.82,394.69 -1532.59,390.24 ; v1@-1524.38,384.88 -1540.65,389.83 ; v1@-1524.38,394.77 -1540.65,389.83 ; C17.2@-2227.36,103.31 U1.97@-2223.03,134.17 ; C17.2@-2227.36,103.31 -2227.22,114.64 ; C17.2@-2227.36,103.31 U1.97@-2223.75,130.8 ; C17.2@-2227.36,103.31 U1.97@-2223.03,132.41 ; C17.2@-2227.36,103.31 -2224.1,122.19 ; -2227.22,114.64 U1.97@-2223.03,134.17 ; U1.97@-2223.75,130.8 -2233.98,105.03 U1.97@-2223.03,134.17 ; U1.97@-2223.03,132.41 -2220.52,103.1 U1.97@-2223.03,134.17 ; -1540.89,390.07 -1540.65,389.83 ; -1540.65,389.83 v1(-1523.65,389.83) ; -1540.65,389.83 v1(-1523.65,389.83) ; -1532.59,389.42 v1(-1523.65,389.83) ; -1532.59,390.24 v1(-1523.65,389.83)
  TOP w8: -2554.02,365.93 -2482.64,437.31 ; U1.76@-2463.18,437.31 -2482.64,437.31 ; U1.76@-2406.09,437.31 -2391.45,437.31 U1.76@-2434.64,437.31 -2482.64,437.31 ; -2242.93,219.36 -2223.03,199.46 ; U1.97@-2223.03,155.83 U1.97@-2223.03,162.71 -2223.03,199.46 ; U1.97@-2223.03,191.26 -2223.03,199.46 ; C19.2@-2184.46,104.3 U1.100@-2175.78,137.57 ; C19.2@-2184.44,104.4 U1.100@-2175.78,134.17 ; C19.2@-2182.35,104.91 -2176.37,115.22 ; C19.2@-2180.86,107.44 ccw(c-2193.14,119.72) -2175.78,119.72 ; C19.2@-2176.73,103.31 -2176.37,115.22 ; -2175.78,115.11 ccw(c-2164.93,115.11) C19.2@-2172.6,107.44 ; U1.100@-2175.78,162.71 -2175.78,106.24 U1.100@-2175.78,134.17 ; C19.2@-2171.03,104.57 -2176.37,115.22 ; v2@-1738.9,1072.23 -1734.33,1063.1 ; v2@-1737.55,1069.77 cw(c-1744.1,1063.22) -1734.84,1063.22 ; U1.5@-1734.84,1011.13 v2@-1734.84,1072.48 ; U1.5@-1734.84,1039.68 v2@-1734.84,1067.61 ; -1734.84,1059.25 cw(c-1719.96,1059.25) v2@-1730.48,1069.77 ; v2(-1734.02,1073.31) -1734.33,1063.1 ; v2@-1729.21,1071.93 -1734.33,1063.1 ; U1.163@-1614.76,720.78 -1629.06,720.78 U1.163@-1586.22,720.78 ; v3@-290.78,1070.31 -212.46,1070.31 -164.46,1070.31 -131,1070.31 -115.15,1070.31 ; C155.2@-212.52,1066.78 -191.27,1069.44 ; C155.2@-212.37,1066.78 C154.2@-170.69,1070.31 ; C155.2@-212.04,1066.8 -184.58,1071.7 ; C155.2@-211.78,1078.17 C154.2@-170.69,1070.31 ; C155.2@-211.72,1078.17 -184.58,1071.7 ; C155.2@-210.93,1058.87 C154.2@-170.69,1070.31 ; C155.2@-210.9,1078 -191.27,1069.44 ; C155.2@-209.97,1059.01 -191.27,1069.44 ; C155.2@-209.48,1059.11 -184.58,1071.7 ; C155.2@-209.51,1085.89 C154.2@-170.69,1070.31 ; C155.2@-208.71,1085.69 -184.58,1071.7 ; C155.2@-208.42,1076.54 ccw(c-193.39,1091.58) -193.39,1070.31 ; C155.2@-206.26,1084.73 -191.27,1069.44 ; C155.2@-202.77,1062.8 cw(c-184.63,1044.66) -184.63,1070.31 ; C155.2@-202.77,1082.2 ccw(c-174.07,1110.89) C154.2@-174.07,1070.31 ; -182.17,1072.48 ccw(c-179.34,1083.05) C154.2@-169.64,1077.99 ; -181.06,1070.31 ccw(c-181.06,1087.94) C154.2@-168.6,1075.48 ; -176.08,1070.31 cw(c-176.08,1059.73) C154.2@-168.6,1067.22 ; C154.2@-166.08,1076.96 -176.5,1070.92 ; C154.2@-165.68,1065.63 -176.5,1070.92 ; C154.2@-165.54,1077.09 C155.2@-198.57,1067.95 ; C154.2@-165.5,1067.57 -194.36,1075.75 ; C154.2@-165.47,1079.07 C155.2@-198.69,1070.31 ; C154.2@-165.21,1079.11 C155.2@-199.25,1071.81 ; C154.2@-165.04,1069.47 C155.2@-199.57,1075.84 ; C154.2@-164.86,1081.11 C155.2@-199.57,1075.84 ; C154.2@-164.7,1067.48 C155.2@-199.25,1071.81 ; C154.2@-164.56,1079.16 -194.36,1075.75 ; C154.2@-164.45,1067.47 C155.2@-198.69,1070.31 ; C154.2@-164.46,1075.28 C155.2@-199.57,1075.84 ; C154.2@-164.38,1065.5 C155.2@-198.57,1067.95 ; C154.2@-163.25,1065.63 -152.43,1070.92 ; C154.2@-162.85,1076.96 -152.43,1070.92 ; C154.2@-161.38,1070.31 D13.1@-132.84,1070.01 ; C154.2@-160.33,1067.22 cw(c-152.85,1059.73) -152.85,1070.31 ; C154.2@-160.33,1075.48 ccw(c-147.87,1087.94) -147.87,1070.31 ; D13.1@-130.09,1070.01 -115.15,1070.31 ; 74.92,1325.37 J5.1@104.83,1325.37 ; J5.1@112.7,1325.37 64.91,1325.37 45.54,1306 45.54,1147.62 22.92,1125 -60.46,1125 -115.15,1070.31 ; U1.100@-2175.78,134.17 C19.2@-2178.7,103.31 U1.100@-2175.78,137.57 ; U1.100@-2175.78,134.17 -2172.86,103.31 U1.100@-2175.78,137.57 ; C155.2@-212.46,1072.5 C154.2@-170.69,1070.31 ; C155.2@-212.46,1072.5 -184.58,1071.7 ; C155.2@-212.46,1072.5 -191.27,1069.44 ; C155.2@-199.25,1071.81 C154.2@-164.46,1073.31 ; C155.2@-198.69,1070.31 C154.2@-164.46,1073.31 ; C155.2@-198.57,1067.95 C154.2@-164.46,1071.35 ; -194.36,1075.75 C154.2@-164.46,1073.31 ; -176.5,1070.92 C154.2@-164.46,1071.35 ; C154.2@-164.46,1071.35 -152.43,1070.92 ; J16.1@-1616.73,1731.1 -1597.64,1731.1 -1609.25,1731.1 J16.1@-1593.5,1731.1 J16.1@-1616.73,1731.1
  TOP w10: J15.1@-1616.73,1192.91 J15.1@-1593.5,1192.91 -1537.34,1192.91 -1505.95,1224.31 ; J15.1@-1589.37,1192.91 -1554.65,1192.91 ; U8.24@-1182.4,945.83 -1182.4,1000 U8.24@-1182.4,975.41 ; C204.2@-964.02,1006.81 cw(c-964.02,990.37) -952.39,1001.99 ; C204.2@-964.02,1011.65 -946.18,995.79 ; C204.2@-961.36,1010.96 -946.18,995.79 ; U8.12@-946.18,945.83 -946.18,995.79 ; U8.12@-946.18,975.41 -946.18,995.79 ; v4@-754.02,1030.83 cw(c-754.02,1006.68) -736.94,1023.76 cw(c-719.87,1040.83) v4@-744.02,1040.83 ; v4(-754.02,1040.83) -729.65,1016.46 U8.1@-729.65,945.83 ; U8.1@-729.65,975.41 -729.65,1010.83
  TOP w12: v3@-1988.46,1657 cw(c-1988.46,1644.93) -1979.93,1653.46 cw(c-1971.39,1662) v3@-1983.46,1662 ; v3(-1988.46,1662) -1973.46,1647 -1917.3,1647 ; R55.2@-1939.45,1535.24 cw(c-1939.45,1521.22) -1929.53,1531.14 ; R55.2@-1939.45,1541.06 -1919.39,1521 R79.1@-1859.15,1521 ; -1917.3,1523.09 -1917.3,1647 ; -1906.96,1521 R79.1@-1861.12,1521 ; -1872.81,1647 cw(c-1872.81,1634.31) R81.1@-1863.84,1643.28 ; R81.1@-1859.15,1646 -1860.15,1647 -1917.3,1647 ; C157.1@-405.42,1125.54 -395.78,1108.51 ; C157.1@-405.26,1124.88 -393.85,1105.56 ; C157.1@-402.25,1119.72 cw(c-419.93,1102.03) -394.93,1102.03 ; -394.93,1036.16 C156.1@-394.78,1082 -394.93,1127.04 -394.93,1082 -394.93,1051 -394.93,997.46 -381.72,984.26 ; -394.93,1097.39 cw(c-363.36,1097.39) -385.68,1119.72 cw(c-365.68,1099.71) -365.68,1128 cw(c-365.68,1156.29) C157.1@-385.68,1136.28 ; C157.1@-391.21,1116.61 -373,1127.04 ; C157.1@-391.21,1139.39 -373,1128.96 ; C157.1@-390.18,1116.91 -373,1128.96 ; C157.1@-390.18,1139.09 -373,1127.04 ; C157.1@-383.16,1123.47 -395.78,1108.51 ; C157.1@-382.64,1125 -393.85,1105.56 ; J7.5@-357.47,984.26 -381.72,984.26 ; J7.5@-349.59,984.26 -381.72,984.26 ; -306.71,1086.24 ccw(c-296.46,1096.49) v3@-296.46,1082 ; v3@-293.46,1073 -296.96,1076.5 -348.46,1128 C157.1@-393.96,1128 ; -395.78,1108.51 C157.1@-393.96,1128 ; C157.1@-393.96,1128 -393.85,1105.56 ; C157.1@-393.96,1128 -373,1128.96 ; C157.1@-393.96,1128 -373,1127.04
  TOP w15: v4@-2108.8,67.99 cw(c-2126.91,67.99) -2114.1,55.19 cw(c-2101.3,42.39) v4@-2101.3,60.49 ; -1005.24,182.27 cw(c-989.74,182.27) v9@-1000.7,193.23 ; v4@-951.48,225.84 cw(c-964.29,213.04) -946.18,213.04 cw(c-928.07,213.04) -940.88,225.84 cw(c-928.07,213.04) -928.07,231.14 cw(c-928.07,249.25) v4@-940.88,236.45 ; U8.37@-946.18,142.68 v4(-946.18,231.14) ; U8.37@-946.18,171.14 v4(-946.18,231.14) ; v4@-946.18,222.68 -946.18,172.26 v4(-946.18,231.14) ; U8.39@-904.52,144.97 -904.52,221.21 -914.45,231.14 v4(-946.18,231.14) ; -2178.7,69.13 C19.2@-2178.7,103.31 -2178.7,69.13 ; -2178.7,69.13 -2159.99,50.42 -2118.87,50.42 ; -2118.87,50.42 v4(-2101.3,67.99) -2118.87,50.42 ; v9@-1005.24,192.23 -1005.24,172.26 v9(-1002.46,195) ; v9@-1005.24,192.23 v9(-1002.46,195) ; v9@-1005.24,192.23 U8.34@-1005.24,142.68 v9(-1002.46,195)
  TOP w20: C10.2@-2584.33,363.31 -2554.02,363.31 C10.2@-2582.36,363.31 ; -2391.45,437.31 -2363.93,437.31 -2329.3,402.68 -2329.3,376.81 -2243.3,290.81 -2243.3,222.99 ; -2242.93,219.36 -2242.93,222.62 -2243.3,222.99 ; -2241.25,209.19 -2243.3,211.24 -2243.3,222.99 ; C17.2@-2229.33,103.31 C17.2@-2223.03,103.31 ; R177.2@-1756.62,1150.35 ccw(c-1735.06,1150.35) -1750.31,1135.1 ; R177.2@-1756.46,1152.31 -1756.46,1141.26 v1@-1742.45,1127.24 ; v2(-1717.65,720.83) -1629.06,720.83 ; R80.1@-1451.76,1419.74 -1451.76,1445.7 -1445.45,1452.02 -1365.45,1452.02 ; v4(-1246.46,1548) -1171.46,1547.74 ; v4@-1242.2,1547.74 -1156.45,1547.74 -1090.88,1613.31 ; v4(-1238.02,88.83) v4@-1237.02,89.83 ; R99.2@-1237.02,129.18 v4@-1237.02,89.83 ; R99.2@-1237.02,131.15 v4@-1237.02,89.83 ; R23.2@-1055.67,1613.31 -1090.88,1613.31 ; R23.2@-1053.7,1613.31 -1090.88,1613.31 ; C204.2@-968.54,1003.78 C204.2@-961.36,1010.96 ; C17.2@-2223.03,103.31 -2180.67,103.31 -2227.36,103.31 C19.2@-2178.7,103.31 C17.2@-2223.03,103.31
  TOP w30: R8.1@-438.81,1368 -382.46,1368 ; v1(-366.46,1328) -366.46,1352 -382.46,1368 ; R8.1@-440.78,1368 R7.1@-440.78,1332 R8.1@-440.78,1368 ; R8.1@-440.78,1368 -382.46,1368
  TOP w40: v4@-2557.46,1815 -2557.09,1815.38 -2538.51,1833.96 -2441.17,1833.96 L12.1@-2437.95,1830.74 ; v4(-1519.46,1035) -1463.46,1035 -1410.46,1088 -1365.45,1088 ; -1505.95,1224.31 -1504.52,1225.74 -1476.46,1225.74 ; v4@-1345.98,1471.49 -1365.45,1452.02 -1365.45,1225.74 ; R39.1@-1245.96,968.83 -1245.96,1013.62 ; -1133.86,1013.62 C207.2@-1004.02,1013.62 ; -889.13,1011.73 -889.13,1027.57 ; v4(-754.02,1040.83) -757.5,1044.31 -913.02,1044.31 -943.7,1013.62 ; -1476.76,1225.44 -1476.76,1180.74 -1476.76,1146.74 R6.1@-1475.76,1180.74 ; -1476.76,1225.44 R5.1@-1475.61,1143.99 R6.1@-1475.76,1180.74 ; -1476.76,1225.44 R6.1@-1475.76,1180.74 ; -1476.76,1225.44 -1476.46,1225.74 ; -1476.46,1225.74 -1365.45,1225.74 ; -1365.45,1088 -1365.45,1225.74 ; -1365.45,1088 -1365.45,1054 -1325.07,1013.62 -1245.96,1013.62 ; -1245.96,1013.62 C207.2@-1004.02,1013.62 ; C207.2@-1004.02,1013.62 C204.2@-964.02,1013.62 ; C207.2@-1004.02,1013.62 C204.2@-964.02,1013.62 ; C204.2@-964.02,1013.62 -943.7,1013.62 ; C204.2@-964.02,1013.62 -943.7,1013.62
  Singal w20: -1734.02,1004.31 v2(-1734.02,1073.31) -1734.02,871.45 -1760.02,845.45 -1760.02,739.39 -1741.45,720.83 ; -1741.45,720.83 v2(-1717.65,720.83) -1741.45,720.83
  Singal w30: v4(-610.46,1077) v3(-296.46,1077) -397.46,1077
  Singal w40: v4@-2557.46,1816 -2483.46,1816 -2334.46,1667 v3@-1993.46,1667 ; v3(-1988.46,1662) -1988.46,1713.72 -1910.19,1792 -1550.3,1792 ; v4@-1550.3,1747.17 -1550.3,1792 ; v4@-1342.45,1472 -1309.46,1472 -1248.46,1533 -1248.46,1548 -1248.46,1735 -1305.46,1792 -1550.3,1792
  POWER w30: v1(-366.46,1328) -298.46,1328 -296.46,1326 ; v3(-296.46,1077) -296.46,1326 ; -296.46,1536 v3(-296.46,1637) -296.46,1326
  POWER w40: v1@-1741.45,1119.74 -1741.45,1073.31 -1741.45,1052.98 -1682.46,993.99 -1560.47,993.99 ; -754.02,631.83 v2(-754.02,760.83) ; -754.02,905.83 v4(-754.02,1040.83) ; -2101.3,100.99 v4(-2101.3,67.99) -2101.3,100.99 ; -2101.3,100.99 -2048.98,153.31 -1769.51,153.31 -1705.21,89 -1505.51,89 -1463.52,131 ; -1560.47,993.99 v4(-1519.46,1035) -1560.47,993.99 ; -1523.65,360.18 v1(-1523.65,389.83) -1523.65,360.18 ; -1523.65,360.18 -1461.46,298 -1461.46,133.05 -1463.52,131 ; -1463.52,131 -1317.72,131 -1276.46,89.74 -1238.02,89.74 -1093.72,89.74 -995.46,188 -949.25,234.21 v4@-946.18,237.28 ; v4@-946.18,237.28 -946.18,305.99 ; v4@-946.18,237.28 v4(-946.18,231.14) -946.18,305.99 ; -946.18,305.99 -907.18,344.99 -827.3,344.99 -754.02,418.28 v2(-754.02,760.83) ; v2(-754.02,760.83) v4(-754.02,1040.83) ; v4(-754.02,1040.83) -723.46,1077 ; v4(-754.02,1040.83) -754.02,1046.45 -723.46,1077 ; -723.46,1077 v4(-610.46,1077) -723.46,1077
  BOTTOM w10: U20.8@-372.8,1264.19 C241.1@-372.8,1294.35 ; U20.8@-372.8,1270.68 C241.1@-372.8,1294.35 ; C241.1@-366.15,1301 C241.1@-372.8,1294.35 ; U10.10@-248.98,1716.81 -248.98,1700.83 ; U10.10@-248.98,1717.3 -248.98,1700.83 ; U10.9@-229.29,1716.81 -229.29,1703.98 ; U10.9@-229.29,1717.79 -229.29,1752.71 ; -229.29,1740.94 U10.2@-229.29,1775.86 ; U10.2@-229.29,1776.85 -229.29,1787.98 ; U10.3@-209.61,1776.35 -209.61,1790.98 ; U10.3@-209.61,1776.85 -209.61,1790.98 ; -248.98,1700.83 -232.45,1700.83 -229.29,1703.98 ; -229.29,1703.98 U10.9@-229.29,1717.3 U10.2@-229.29,1776.35 -229.29,1787.98 ; -229.29,1787.98 -223.95,1793.33 -211.95,1793.33 -209.61,1790.98
  BOTTOM w12: v1(-366.46,1328) C241.1@-366.15,1301 -366.15,1327.68 v1(-366.46,1328)
  BOTTOM w15: C18.2@-1717.69,680.83 C18.2@-1717.65,680.87 ; C18.2@-1717.65,680.87 v2(-1717.65,720.83) C18.2@-1717.65,680.87
  BOTTOM w20: v4(-946.18,231.14) -916.85,231.14 -894.02,208.31 ; R32.1@-899.33,163.31 -894.02,168.62 -894.02,208.31 ; R32.1@-897.36,163.31 -894.02,208.31 ; U19.1@-349.06,1460.91 -349.06,1513 -349.06,1555 ; U19.1@-349.06,1470.75 -349.06,1538.62 ; R199.1@-293.78,1556 R199.1@-292.46,1554.68 ; -267.57,1637 ccw(c-267.57,1658.45) -252.41,1643.28 ccw(c-265.58,1656.46) -246.95,1656.46 ccw(c-228.32,1656.46) C152.2@-241.49,1643.28 ; v3@-68.61,1737.14 R4.1@-100.45,1737.14 ; v3(-66.46,1737) R4.1@-100.45,1737.14 ; -842.52,165.25 -829.02,164.96 -842.52,165.25 ; -842.52,165.25 TP23.1@-842.52,220.47 -842.52,165.25 ; R130.1@-351.13,1765.83 v3(-351.13,1793.67) R130.1@-351.13,1765.83 ; R130.1@-351.13,1765.83 R129.1@-351.13,1730 R130.1@-351.13,1765.83 ; TP12.1@-350.39,1574.8 -349.06,1555 ; TP12.1@-350.39,1574.8 -349.06,1555 ; TP12.1@-350.39,1574.8 -348.74,1554.68 ; TP12.1@-350.39,1574.8 -349.06,1555 ; TP12.1@-350.39,1574.8 -348.74,1554.68 ; -349.06,1554.96 cw(c-330.97,1554.96) -343.62,1567.88 ccw(c-330.97,1554.96) -349.06,1554.96 ; -349.06,1554.96 ccw(c-362.75,1554.96) -355.51,1566.58 cw(c-362.75,1554.96) -349.06,1554.96 ; -349.06,1555 -349.06,1574.8 -349.06,1625.41 -337.46,1637 ; -349.06,1555 -348.74,1554.68 ; -348.74,1554.68 R199.1@-292.46,1554.68 ; -348.74,1554.68 R199.1@-292.46,1554.68 ; -337.46,1637 v3(-296.46,1637) ; -337.46,1637 v3(-296.46,1637) ; v3(-296.46,1637) C152.2@-246.95,1637.83 ; v3(-296.46,1637) -247.78,1637 C152.2@-246.95,1637.83 ; C240.2@-247.13,1682.83 C152.2@-246.95,1637.83 ; C240.2@-247.13,1682.83 C152.2@-246.95,1637.83 ; C240.2@-247.13,1682.83 -246.95,1698.8 -246.95,1682.83 C152.2@-246.95,1637.83 ; R4.1@-100.45,1737.14 R3.1@-135.45,1737.14 R4.1@-100.45,1737.14 ; C16.2@-1776.45,1073.43 v2(-1734.02,1073.31) -1734.13,1073.43 C16.2@-1776.45,1073.43 ; R131.1@-819.02,761.15 v2(-754.02,760.83) -754.33,761.15 R131.1@-819.02,761.15
  BOTTOM w30: C15.1@-1526.15,338.83 v1@-1526.15,387.33 ; C208.2@-864.02,162.99 -897.36,163.31 C209.2@-829.33,163.31 ; C208.2@-864.02,162.99 C209.2@-829.33,163.31 ; C208.2@-864.02,162.99 R32.1@-899.33,163.31 -864.02,163.31 C209.2@-829.33,163.31 ; C208.2@-864.02,162.99 C209.2@-829.33,163.31
  other v1: -1742.45,1125.74
  other v4: -1344.46,1472 -1550.46,1747 -2558.02,1816.31